# Altium PCB USB HUB3.0-PCB.PcbDoc (part 1 of 3) (continued)
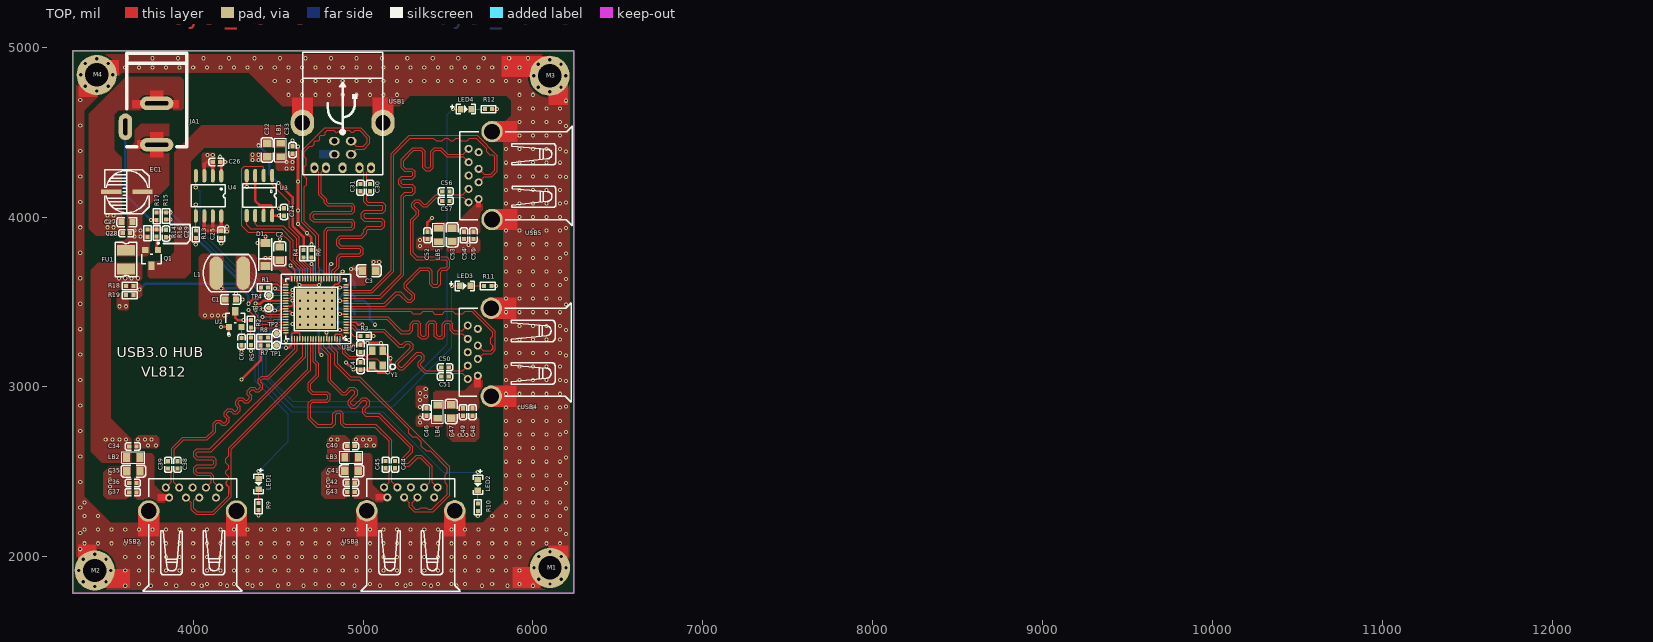
[diagram p0: TOP view]
## Free pads (board coordinates) (continued)
  round 8 on Mech2: 1(9232.65,4121.89) 1(9232.65,4121.89) 1(9232.65,4196.89) 1(9232.65,4196.89) 1(9251.31,4121.89) 1(9251.31,4121.89) 1(9251.31,4196.89) 1(9251.31,4196.89) 1(9258.78,4125.64) 1(9258.78,4125.64) 1(9258.78,4193.14) 1(9258.78,4193.14) 1(9264.38,4130.64) 1(9264.38,4130.64) 1(9264.38,4188.14) 1(9264.38,4188.14) 1(9269.05,4138.14) 1(9269.05,4138.14) 1(9269.05,4180.64) 1(9269.05,4180.64) 1(9272.78,4146.89) 1(9272.78,4146.89) 1(9272.78,4171.89) 1(9272.78,4171.89) 1(9273.71,4159.39) 1(9273.71,4159.39) 1(9316.98,4121.89) 1(9316.98,4196.89) 1(9328.18,4121.89) 1(9328.18,4196.89) 1(9339.38,4121.89) 1(9339.38,4196.89) 1(9385.45,4121.89) 1(9385.45,4160.64) 1(9385.45,4196.89) 1(9385.45,4196.89) 1(9407.85,4160.64) 1(9420.91,4196.89) 1(9460.45,4121.89) 1(9460.45,4160.64) 1(9460.45,4196.89) 1(9460.45,4196.89) 1(9482.85,4160.64) 1(9495.91,4196.89) 1(9534.51,4121.89) 1(9534.51,4121.89) 1(9534.51,4160.64) 1(9534.51,4196.89) 1(9534.51,4196.89) 1(9556.91,4160.64) 1(9571.85,4121.89) 1(9571.85,4196.89) 1(9609.51,4121.89) 1(9609.51,4158.14) 1(9609.51,4196.89) 1(9609.51,4196.89) 1(9632.85,4158.14) 1(9632.85,4158.14) 1(9632.85,4158.14) 1(9632.85,4196.89) 1(9632.85,4196.89) 1(9639.38,4161.89) 1(9639.38,4161.89) 1(9640.31,4193.14) 1(9640.31,4193.14) 1(9644.98,4168.14) 1(9644.98,4168.14) 1(9644.98,4188.14) 1(9644.98,4188.14) 1(9646.85,4121.89) 1(9646.85,4178.14) 1(9646.85,4178.14) 1(9684.51,4121.89) 1(9684.51,4121.89) 1(9684.51,4160.64) 1(9684.51,4196.89) 1(9684.51,4196.89) 1(9706.91,4160.64) 1(9721.85,4121.89) 1(9721.85,4196.89) 1(9756.71,4121.89) 1(9756.71,4196.89) 1(9756.71,4196.89) 1(9799.65,4121.89) 1(9799.65,4121.89) 1(9799.65,4196.89) 1(9831.71,4196.89) 1(9853.18,4121.89) 1(9853.18,4196.89) 1(9874.65,4196.89) 1(9916.98,4196.89) 1(9928.18,4121.89) 1(9928.18,4196.89) 1(9939.38,4196.89) 1(9978.79,4109.69) 1(9979.85,4121.89) 1(9988.25,4148.14) 1(10001.19,4109.69) 1(10003.18,4196.89) 1(10003.18,4196.89) 1(10018.11,4148.14) 1(10026.51,4121.89) 1(10059.51,4121.89) 1(10059.51,4121.89) 1(10059.51,4196.89) 1(10096.85,4121.89) 1(10206.71,4196.89) 1(10228.18,4121.89) 1(10228.18,4196.89) 1(10249.65,4196.89) 1(10284.51,4121.89) 1(10284.51,4158.14) 1(10284.51,4196.89) 1(10284.51,4196.89) 1(10307.85,4158.14) 1(10307.85,4158.14) 1(10307.85,4158.14) 1(10307.85,4196.89) 1(10307.85,4196.89) 1(10314.38,4161.89) 1(10314.38,4161.89) 1(10315.31,4193.14) 1(10315.31,4193.14) 1(10319.98,4168.14) 1(10319.98,4168.14) 1(10319.98,4188.14) 1(10319.98,4188.14) 1(10321.85,4121.89) 1(10321.85,4178.14) 1(10321.85,4178.14) 1(10354.85,4121.89) 1(10363.25,4148.14) 1(10378.18,4196.89) 1(10378.18,4196.89) 1(10393.11,4148.14) 1(10401.51,4121.89) 1(10429.85,4155.64) 1(10429.85,4155.64) 1(10430.78,4166.89) 1(10430.78,4166.89) 1(10431.71,4144.39) 1(10431.71,4144.39) 1(10434.51,4136.89) 1(10434.51,4136.89) 1(10434.51,4179.39) 1(10434.51,4179.39) 1(10439.18,4186.89) 1(10439.18,4186.89) 1(10440.11,4129.39) 1(10440.11,4129.39) 1(10445.71,4193.14) 1(10445.71,4193.14) 1(10446.65,4124.39) 1(10446.65,4124.39) 1(10453.18,4121.89) 1(10453.18,4121.89) 1(10454.11,4196.89) 1(10454.11,4196.89) 1(10459.71,4121.89) 1(10459.71,4121.89) 1(10461.58,4196.89) 1(10461.58,4196.89) 1(10466.25,4124.39) 1(10466.25,4124.39) 1(10468.11,4194.39) 1(10468.11,4194.39) 1(10471.85,4128.14) 1(10471.85,4128.14) 1(10473.71,4190.64) 1(10476.51,4133.14) 1(10509.51,4121.89) 1(10509.51,4121.89) 1(10509.51,4160.64) 1(10509.51,4196.89) 1(10509.51,4196.89) 1(10531.91,4160.64) 1(10546.85,4121.89) 1(10546.85,4196.89) 1(10666.98,4121.89) 1(10666.98,4196.89) 1(10678.18,4121.89) 1(10678.18,4196.89) 1(10689.38,4121.89) 1(10689.38,4196.89) 1(10728.91,4121.89) 1(10728.91,4196.89) 1(10728.91,4196.89) 1(10753.18,4134.39) 1(10753.18,4134.39) 1(10777.45,4121.89) 1(10777.45,4196.89) 1(10777.45,4196.89) 1(10809.51,4121.89) 1(10809.51,4153.14) 1(10809.51,4196.89) 1(10809.51,4196.89) 1(10831.91,4153.14) 1(10831.91,4153.14) 1(10831.91,4196.89) 1(10831.91,4196.89) 1(10839.38,4193.14) 1(10839.38,4193.14) 1(10840.31,4156.89) 1(10840.31,4156.89) 1(10844.98,4164.39) 1(10844.98,4164.39) 1(10844.98,4184.39) 1(10844.98,4184.39) 1(10846.85,4174.39) 1(10846.85,4174.39) 1(10884.51,4121.89) 1(10884.51,4121.89) 1(10884.51,4160.64) 1(10884.51,4196.89) 1(10884.51,4196.89) 1(10906.91,4160.64) 1(10921.85,4121.89) 1(10921.85,4196.89) 1(10957.65,4121.89) 1(10957.65,4121.89) 1(10957.65,4196.89) 1(10957.65,4196.89) 1(10976.31,4121.89) 1(10976.31,4121.89) 1(10976.31,4196.89) 1(10976.31,4196.89) 1(10983.78,4125.64) 1(10983.78,4125.64) 1(10983.78,4193.14) 1(10983.78,4193.14) 1(10989.38,4130.64) 1(10989.38,4130.64) 1(10989.38,4188.14) 1(10989.38,4188.14) 1(10994.05,4138.14) 1(10994.05,4138.14) 1(10994.05,4180.64) 1(10994.05,4180.64) 1(10997.78,4146.89) 1(10997.78,4146.89) 1(10997.78,4171.89) 1(10997.78,4171.89) 1(10998.71,4159.39) 1(10998.71,4159.39) 1(11029.85,4121.89) 1(11038.25,4148.14) 1(11053.18,4196.89) 1(11053.18,4196.89) 1(11068.11,4148.14) 1(11076.51,4121.89) 1(11106.71,4121.89) 1(11106.71,4196.89) 1(11106.71,4196.89) 1(11149.65,4121.89) 1(11149.65,4121.89) 1(11149.65,4196.89) 1(11179.85,4155.64) 1(11179.85,4155.64) 1(11180.78,4166.89) 1(11180.78,4166.89) 1(11181.71,4144.39) 1(11181.71,4144.39) 1(11184.51,4136.89) 1(11184.51,4136.89) 1(11184.51,4179.39) 1(11184.51,4179.39) 1(11189.18,4186.89) 1(11189.18,4186.89) 1(11190.11,4129.39) 1(11190.11,4129.39) 1(11195.71,4193.14) 1(11195.71,4193.14) 1(11196.65,4124.39) 1(11196.65,4124.39) 1(11203.18,4121.89) 1(11203.18,4121.89) 1(11204.11,4196.89) 1(11204.11,4196.89) 1(11209.71,4121.89) 1(11209.71,4121.89) 1(11211.58,4196.89) 1(11211.58,4196.89) 1(11216.25,4124.39) 1(11216.25,4124.39) 1(11218.11,4194.39) 1(11218.11,4194.39) 1(11221.85,4128.14) 1(11221.85,4128.14) 1(11223.71,4190.64) 1(11226.51,4133.14) 1(11259.51,4121.89) 1(11259.51,4121.89) 1(11259.51,4160.64) 1(11259.51,4196.89) 1(11259.51,4196.89) 1(11281.91,4160.64) 1(11296.85,4121.89) 1(11296.85,4196.89) 1(11404.85,4155.64) 1(11404.85,4155.64) 1(11405.78,4166.89) 1(11405.78,4166.89) 1(11406.71,4144.39) 1(11406.71,4144.39) 1(11409.51,4136.89) 1(11409.51,4136.89) 1(11409.51,4179.39) 1(11409.51,4179.39) 1(11414.18,4186.89) 1(11414.18,4186.89) 1(11415.11,4129.39) 1(11415.11,4129.39) 1(11420.71,4193.14) 1(11420.71,4193.14) 1(11421.65,4124.39) 1(11421.65,4124.39) 1(11428.18,4121.89) 1(11428.18,4121.89) 1(11429.11,4196.89) 1(11429.11,4196.89) 1(11434.71,4121.89) 1(11434.71,4121.89) 1(11436.58,4196.89) 1(11436.58,4196.89) 1(11441.25,4124.39) 1(11441.25,4124.39) 1(11443.11,4194.39) 1(11443.11,4194.39) 1(11446.85,4128.14) 1(11446.85,4128.14) 1(11448.71,4190.64) 1(11451.51,4133.14) 1(11477.98,4154.39) 1(11477.98,4154.39) 1(11477.98,4164.39) 1(11477.98,4164.39) 1(11479.85,4144.39) 1(11479.85,4144.39) 1(11479.85,4174.39) 1(11479.85,4174.39) 1(11483.58,4135.64) 1(11483.58,4135.64) 1(11483.58,4183.14) 1(11483.58,4183.14) 1(11489.18,4128.14) 1(11489.18,4128.14) 1(11489.18,4190.64) 1(11489.18,4190.64) 1(11495.71,4123.14) 1(11495.71,4123.14) 1(11495.71,4195.64) 1(11495.71,4195.64) 1(11503.18,4121.89) 1(11503.18,4121.89) 1(11503.18,4196.89) 1(11503.18,4196.89) 1(11510.65,4123.14) 1(11510.65,4123.14) 1(11510.65,4195.64) 1(11510.65,4195.64) 1(11517.18,4128.14) 1(11517.18,4128.14) 1(11517.18,4190.64) 1(11517.18,4190.64) 1(11522.78,4135.64) 1(11522.78,4135.64) 1(11522.78,4183.14) 1(11522.78,4183.14) 1(11526.51,4144.39) 1(11526.51,4144.39) 1(11526.51,4174.39) 1(11526.51,4174.39) 1(11528.38,4154.39) 1(11528.38,4154.39) 1(11528.38,4164.39) 1(11528.38,4164.39) 1(11556.71,4121.89) 1(11556.71,4196.89) 1(11556.71,4196.89) 1(11599.65,4121.89) 1(11599.65,4121.89) 1(11599.65,4196.89) 1(11631.71,4196.89) 1(11653.18,4121.89) 1(11653.18,4196.89) 1(11674.65,4196.89) 1(11709.51,4121.89) 1(11709.51,4158.14) 1(11709.51,4196.89) 1(11709.51,4196.89) 1(11732.85,4158.14) 1(11732.85,4158.14) 1(11732.85,4158.14) 1(11732.85,4196.89) 1(11732.85,4196.89) 1(11739.38,4161.89) 1(11739.38,4161.89) 1(11740.31,4193.14) 1(11740.31,4193.14) 1(11744.98,4168.14) 1(11744.98,4168.14) 1(11744.98,4188.14) 1(11744.98,4188.14) 1(11746.85,4121.89) 1(11746.85,4178.14) 1(11746.85,4178.14) 1(11777.98,4154.39) 1(11777.98,4154.39) 1(11777.98,4164.39) 1(11777.98,4164.39) 1(11779.85,4144.39) 1(11779.85,4144.39) 1(11779.85,4174.39) 1(11779.85,4174.39) 1(11783.58,4135.64) 1(11783.58,4135.64) 1(11783.58,4183.14) 1(11783.58,4183.14) 1(11789.18,4128.14) 1(11789.18,4128.14) 1(11789.18,4190.64) 1(11789.18,4190.64) 1(11795.71,4123.14) 1(11795.71,4123.14) 1(11795.71,4195.64) 1(11795.71,4195.64) 1(11803.18,4121.89) 1(11803.18,4121.89) 1(11803.18,4196.89) 1(11803.18,4196.89) 1(11810.65,4123.14) 1(11810.65,4123.14) 1(11810.65,4195.64) 1(11810.65,4195.64) 1(11817.18,4128.14) 1(11817.18,4128.14) 1(11817.18,4190.64) 1(11817.18,4190.64) 1(11822.78,4135.64) 1(11822.78,4135.64) 1(11822.78,4183.14) 1(11822.78,4183.14) 1(11826.51,4144.39) 1(11826.51,4144.39) 1(11826.51,4174.39) 1(11826.51,4174.39) 1(11828.38,4154.39) 1(11828.38,4154.39) 1(11828.38,4164.39) 1(11828.38,4164.39) 1(11859.51,4121.89) 1(11859.51,4121.89) 1(11859.51,4196.89) 1(11896.85,4121.89)

## Via types
v1: diameter 24, hole 12, TOP to BOTTOM, tented both sides, 600 vias
v2: diameter 25.98, hole 12.99, TOP to BOTTOM, 24 vias

## Nets (pads, with @x,y where several pads share a name; then routed paths per layer and width w, separated by ;. In a path a pad name is that pad's centre, name@x,y a point inside that pad or via, vN(x,y) a via of type N, cw(c..) or ccw(c..) an arc to the next point about the centre after c; other vN are vias at no path point)
1V2: C1.1 C7.1 C8.1 C9.1 C10.1 C11.1 C12.1 C13.1 C14.1 C15.1 L1.2 R1.1 U1.5 U1.13 U1.24 U1.30 U1.37 U1.48 U1.58 U1.61 U1.68 U1.74 | length 2411.7
  TOP w8: v1(4480,3450) 4505,3450 4515,3460 ; 4515,3460.24 U1.48@4545,3460.24 ; v1(4573.24,3714.34) 4573.24,3713.76 4596.18,3690.82 U1.37@4596.18,3637.4 ; 4573.3,3243.3 4580.43,3250.43 U1.58@4580.43,3283.07 4580.43,3312.2 4587.64,3319.41 4620.59,3319.41 4627.68,3312.32 U1.61@4627.68,3283.07 ; v1(4695,3725) 4706.42,3713.58 U1.30@4706.42,3637.4 ; U1.68@4737.91,3283.07 4737.91,3204.16 v1(4754.93,3187.14) ; U1.24@4800.91,3637.4 4800.91,3713.58 v1(4812.32,3725) ; U1.74@4832.4,3283.07 4832.4,3302.4 4840,3310 4870,3310 4880,3300 4880,3285 4889.21,3275.79 v1(4916.79,3275.79) ; v1(4862.4,3507.48) U1.13@4899.33,3507.48 ; U1.5@4899.33,3381.5 4955.67,3381.5 4970,3367.17
  TOP w15: v1(4325,3490) 4355,3520 4380,3520 4398.35,3538.35 R1.1@4398.35,3585 ; v1(4546.02,3231.02) 4561.02,3231.02 4573.3,3243.3 ; 4970,3367.17 4995.59,3367.17 v1(4996.26,3366.5)
  BOTTOM w15: v1(4165,3580) 4280,3580 4325,3535 v1(4325,3490) ; C8.1@4508.35,3475 4504.04,3470.69 4500.69,3470.69 4455,3425 4455,3275 4498.98,3231.02 v1(4546.02,3231.02) 4546.42,3231.42 C10.1@4580.43,3231.42 ; C11.1@4737.91,3231.42 4754.93,3214.4 v1(4754.93,3187.14) ; C15.1@4800.91,3690.04 4800.91,3713.58 v1(4812.32,3725) ; C12.1@4832.4,3274.72 4833.47,3275.79 v1(4916.79,3275.79) ; v1(4862.4,3507.48) 4862.4,3527.4 4880,3545 4935,3545 4950.98,3529.02 C14.1@4950.98,3507.48 5007.52,3507.48 5040,3475 5040,3396.5 v1(5070,3366.5) ; C13.1@4950.98,3381.5 4981.26,3381.5 v1(4996.26,3366.5)
  BOTTOM w20: v1(4573.24,3714.34) 4573.24,3712 C7.1@4596.18,3689.06 C9.1@4706.42,3689.06 4706.42,3713.58 v1(4695,3725)
  other v1: 4070,3420 4110,3420 4145,3420 4180,3420
3V3: C16.1 C17.1 C18.1 C19.1 C20.1 C21.1 C22.1 C23.1 C24.1 R2.1 R7.1 R8.1 R13.2 R15.2 U1.2 U1.8 U1.18 U1.27 U1.36 U1.41 U1.49 U1.71 U2.3 U3.3 U3.7 U3.8 | length 2035.4
  TOP w8: U3.8@4465.08,4008.78 U3.8@4465.51,4008.35 ; v1(4480.71,3580.47) 4483.4,3580.47 4493.4,3570.47 U1.41@4545,3570.47 ; U1.49@4545,3444.49 4570.51,3444.49 v1(4585,3430) ; U1.36@4611.93,3637.4 4611.93,3613.07 v1@4618.46,3606.54 ; v1@4746.83,3606.83 4753.66,3613.66 U1.27@4753.66,3637.4 ; U1.71@4785.16,3283.07 v1(4785.16,3320) ; v1(4862.4,3334.25) U1.2@4899.33,3334.25 ; v1(4862.4,3428.74) U1.8@4899.33,3428.74 ; v1(4862.4,3586.22) U1.18@4899.33,3586.22
  TOP w12: v1@4618.46,3606.54 v1(4625,3600) v1(4740,3600) v1@4746.83,3606.83
  TOP w15: R15.2@3840,3985 v1(3866.69,3985) ; v1(4015,3840) R13.2@4015,3876.69 ; U2.3@4247.6,3445.83 4247.6,3407.4 4261.69,3393.31 R2.1@4340,3393.31 ; v1(4285,3045) 4396.69,3156.69 R7.1@4396.69,3245 R8.1@4396.69,3290 ; U3.3@4365.08,4245 4365,4244.92 4365,4095 4390,4070 4415.08,4070 ; U3.7@4415.08,4008.78 4415.08,4070 ; U3.8@4465.08,4008.78 4465.08,4059.92 4455,4070 4415.08,4070 ; U3.8@4465.51,4008.35 C24.1@4535,4008.35 v1@4500.26,4008.35
  BOTTOM w8: v1@4583.74,3428.74 v1(4585,3430)
  BOTTOM w12: v1(4740,3600) 4753.66,3613.66 C18.1@4753.66,3645.75
  BOTTOM w15: v1(3866.69,3985) 4011.69,3840 v1(4015,3840) ; v1(4480.71,3580.47) C19.1@4508.35,3580.47 ; v1@4583.74,3428.74 C22.1@4551.65,3428.74 4551.65,3366.65 4555,3370 v1(4585,3370) ; C21.1@4785.16,3274.72 v1(4785.16,3320) ; v1(4862.4,3334.25) C20.1@4907.68,3334.25 ; v1(4862.4,3428.74) C23.1@4907.68,3428.74 ; v1(4862.4,3586.22) C17.1@4907.68,3586.22
  other v1: 4295,3395 4505,4008.35
COREPWRDN: TP3.1 U1.46 | length 111.1
  TOP w6: TP3.1@4445,3465 4471.73,3491.73 U1.46@4545,3491.73
DCIN_DET: C29.2 JA1.3 R14.2 R16.1 R17.2 | length 810.7
  TOP w6: R16.1@3783.35,3926.65 R16.1@3785,3928.31 ; C29.2@3836.69,3928.31 C29.2@3840,3925
  TOP w15: R14.2@3730,3926.65 R16.1@3783.35,3926.65 ; v1(3751.65,3983.35) R17.2@3785,3983.35 R16.1@3785,3928.31 ; R16.1@3785,3926.65 C29.2@3836.69,3926.65
  BOTTOM w15: JA1.3@3601,4531.16 3601,4134 v1(3751.65,3983.35)
EXTPWRON: R15.1 R17.1 U1.47 | length 1088.2
  TOP w8: U1.47@4545,3475.98 4575.98,3475.98 4585,3485 v1(4585,3508.5)
  TOP w15: R17.1@3786.65,4028.31 R15.1@3840,4028.31 v1(3866.69,4028.31) v1@3871.69,4028.31
  TOP w20: R17.1@3785,4026.65 R17.1@3786.65,4028.31
  BOTTOM w15: v1(3866.69,4028.31) 4260,3635 4315,3635 4441.5,3508.5 v1(4585,3508.5)